# Altium PCB KlusterLab r2.0.PcbDoc (part 1 of 22) (continued)
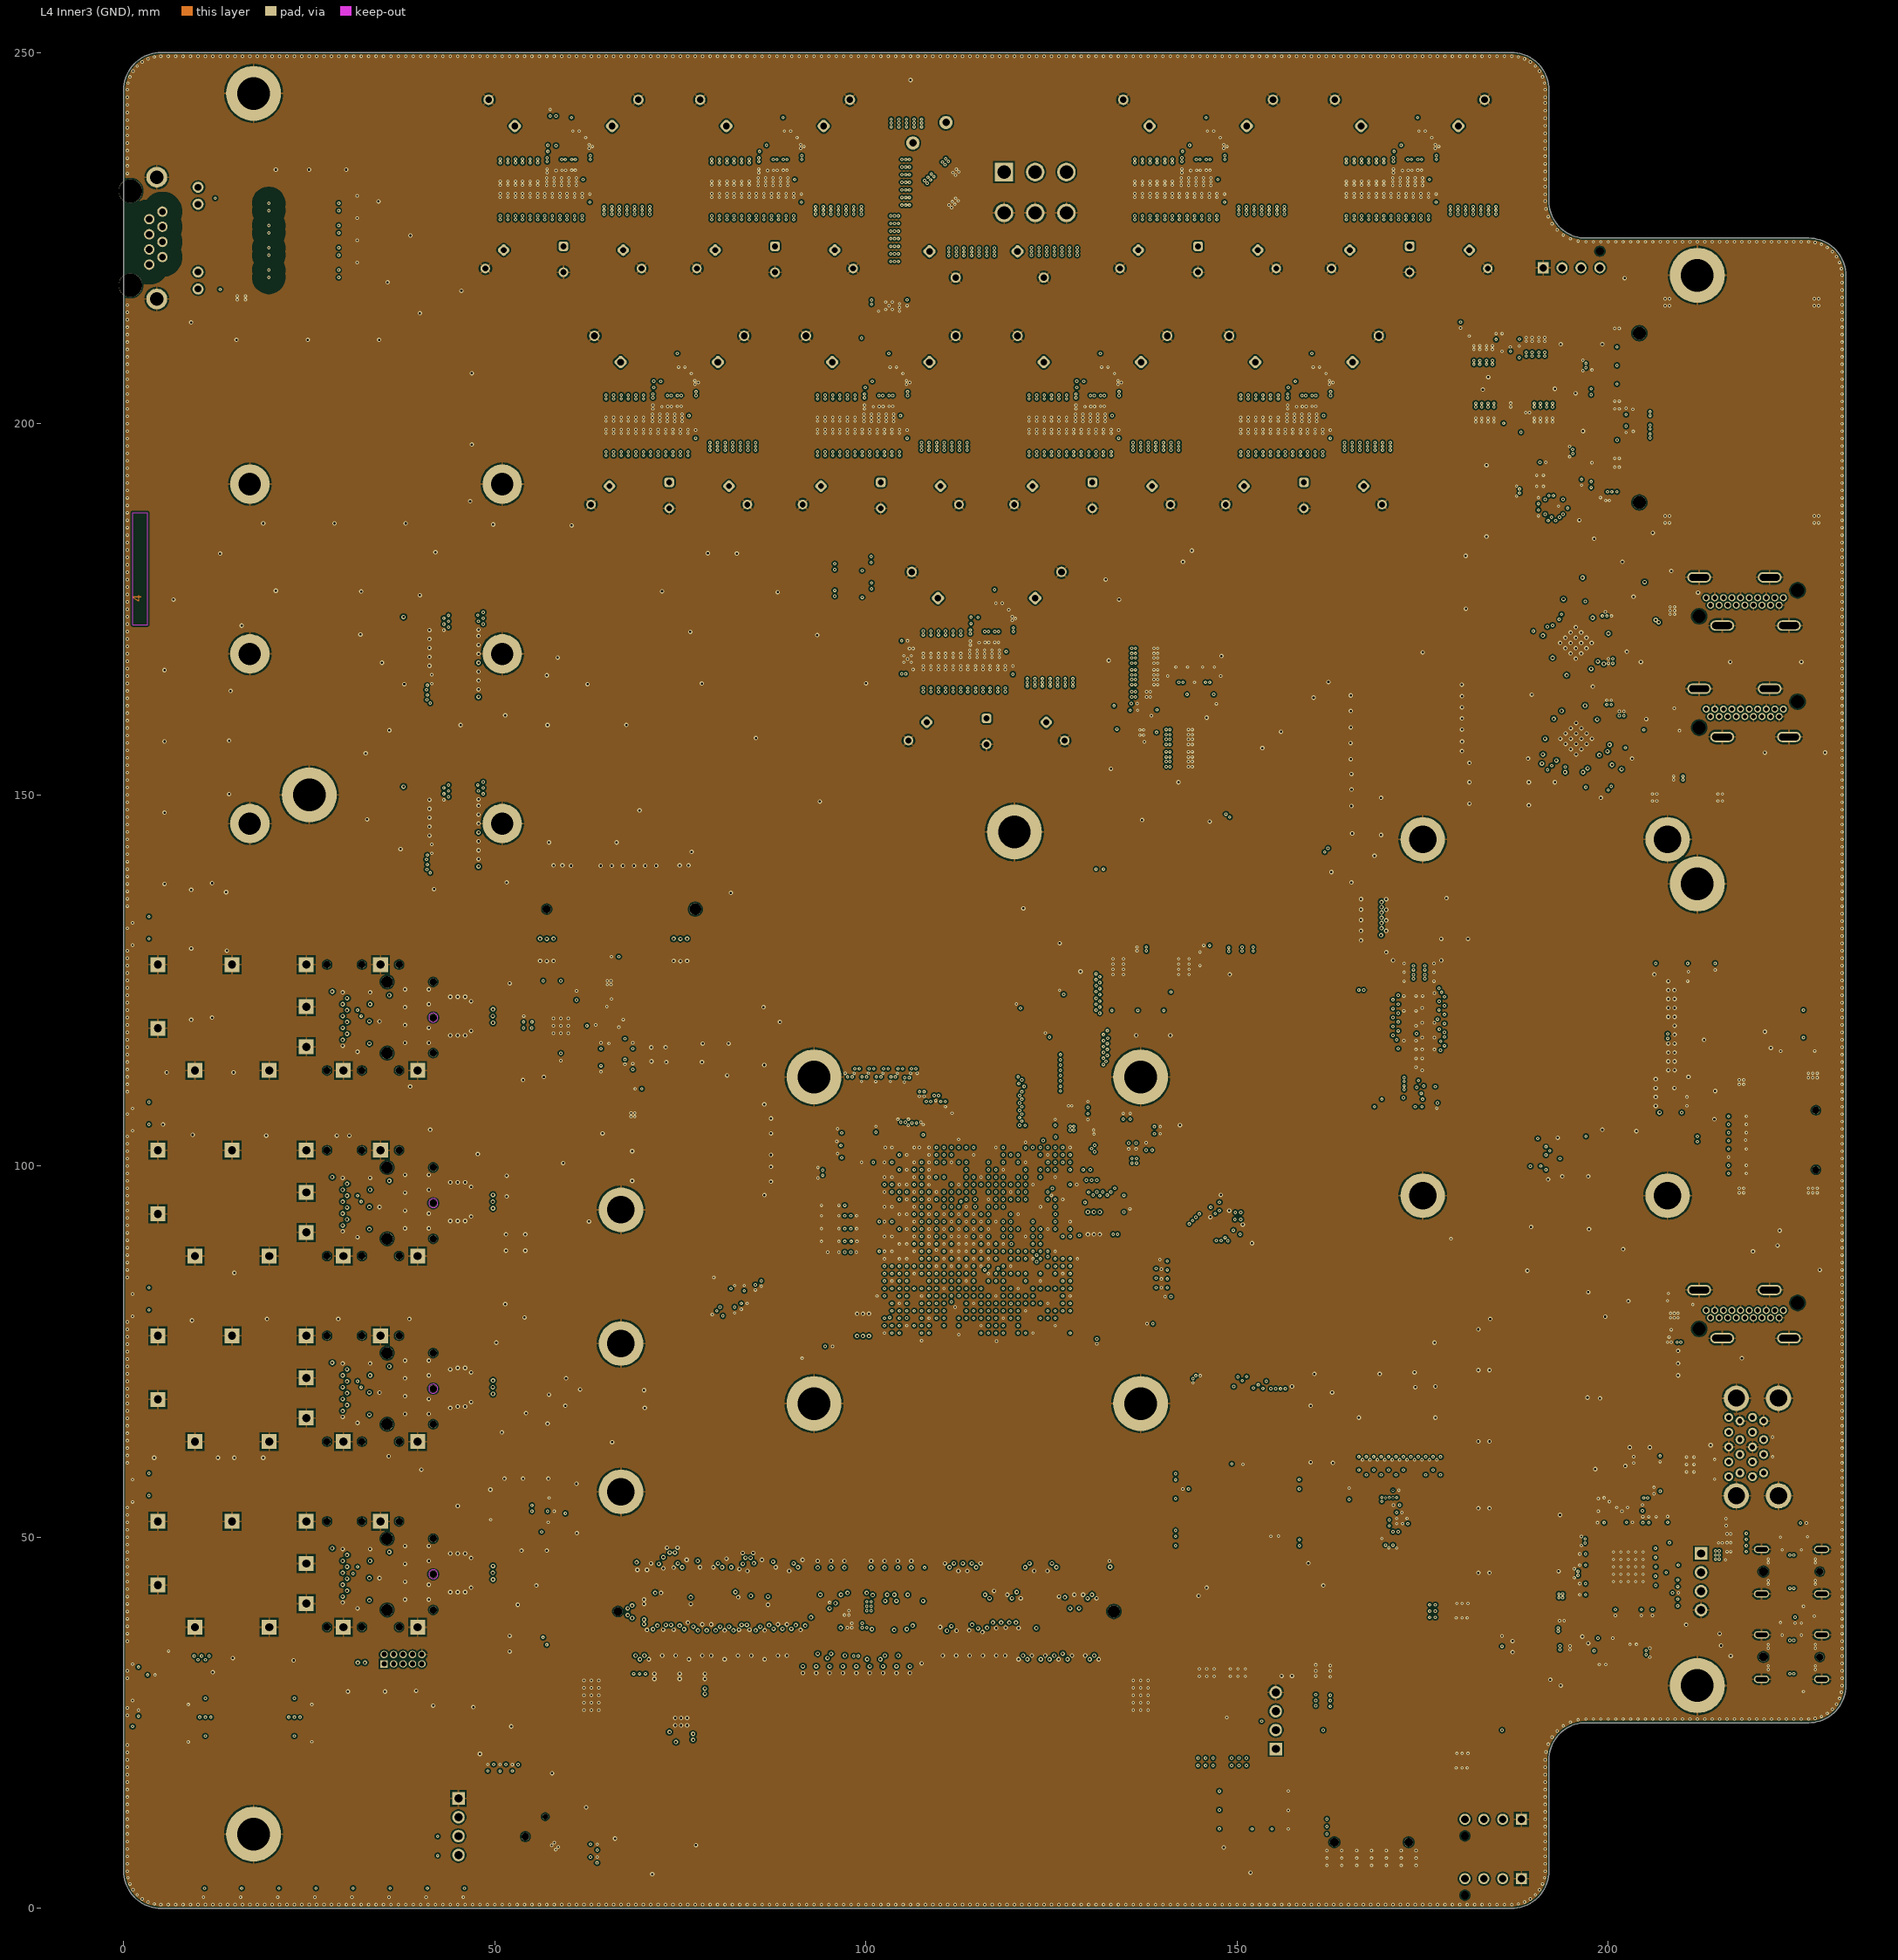
[diagram p4: L4 Inner3 (GND)]
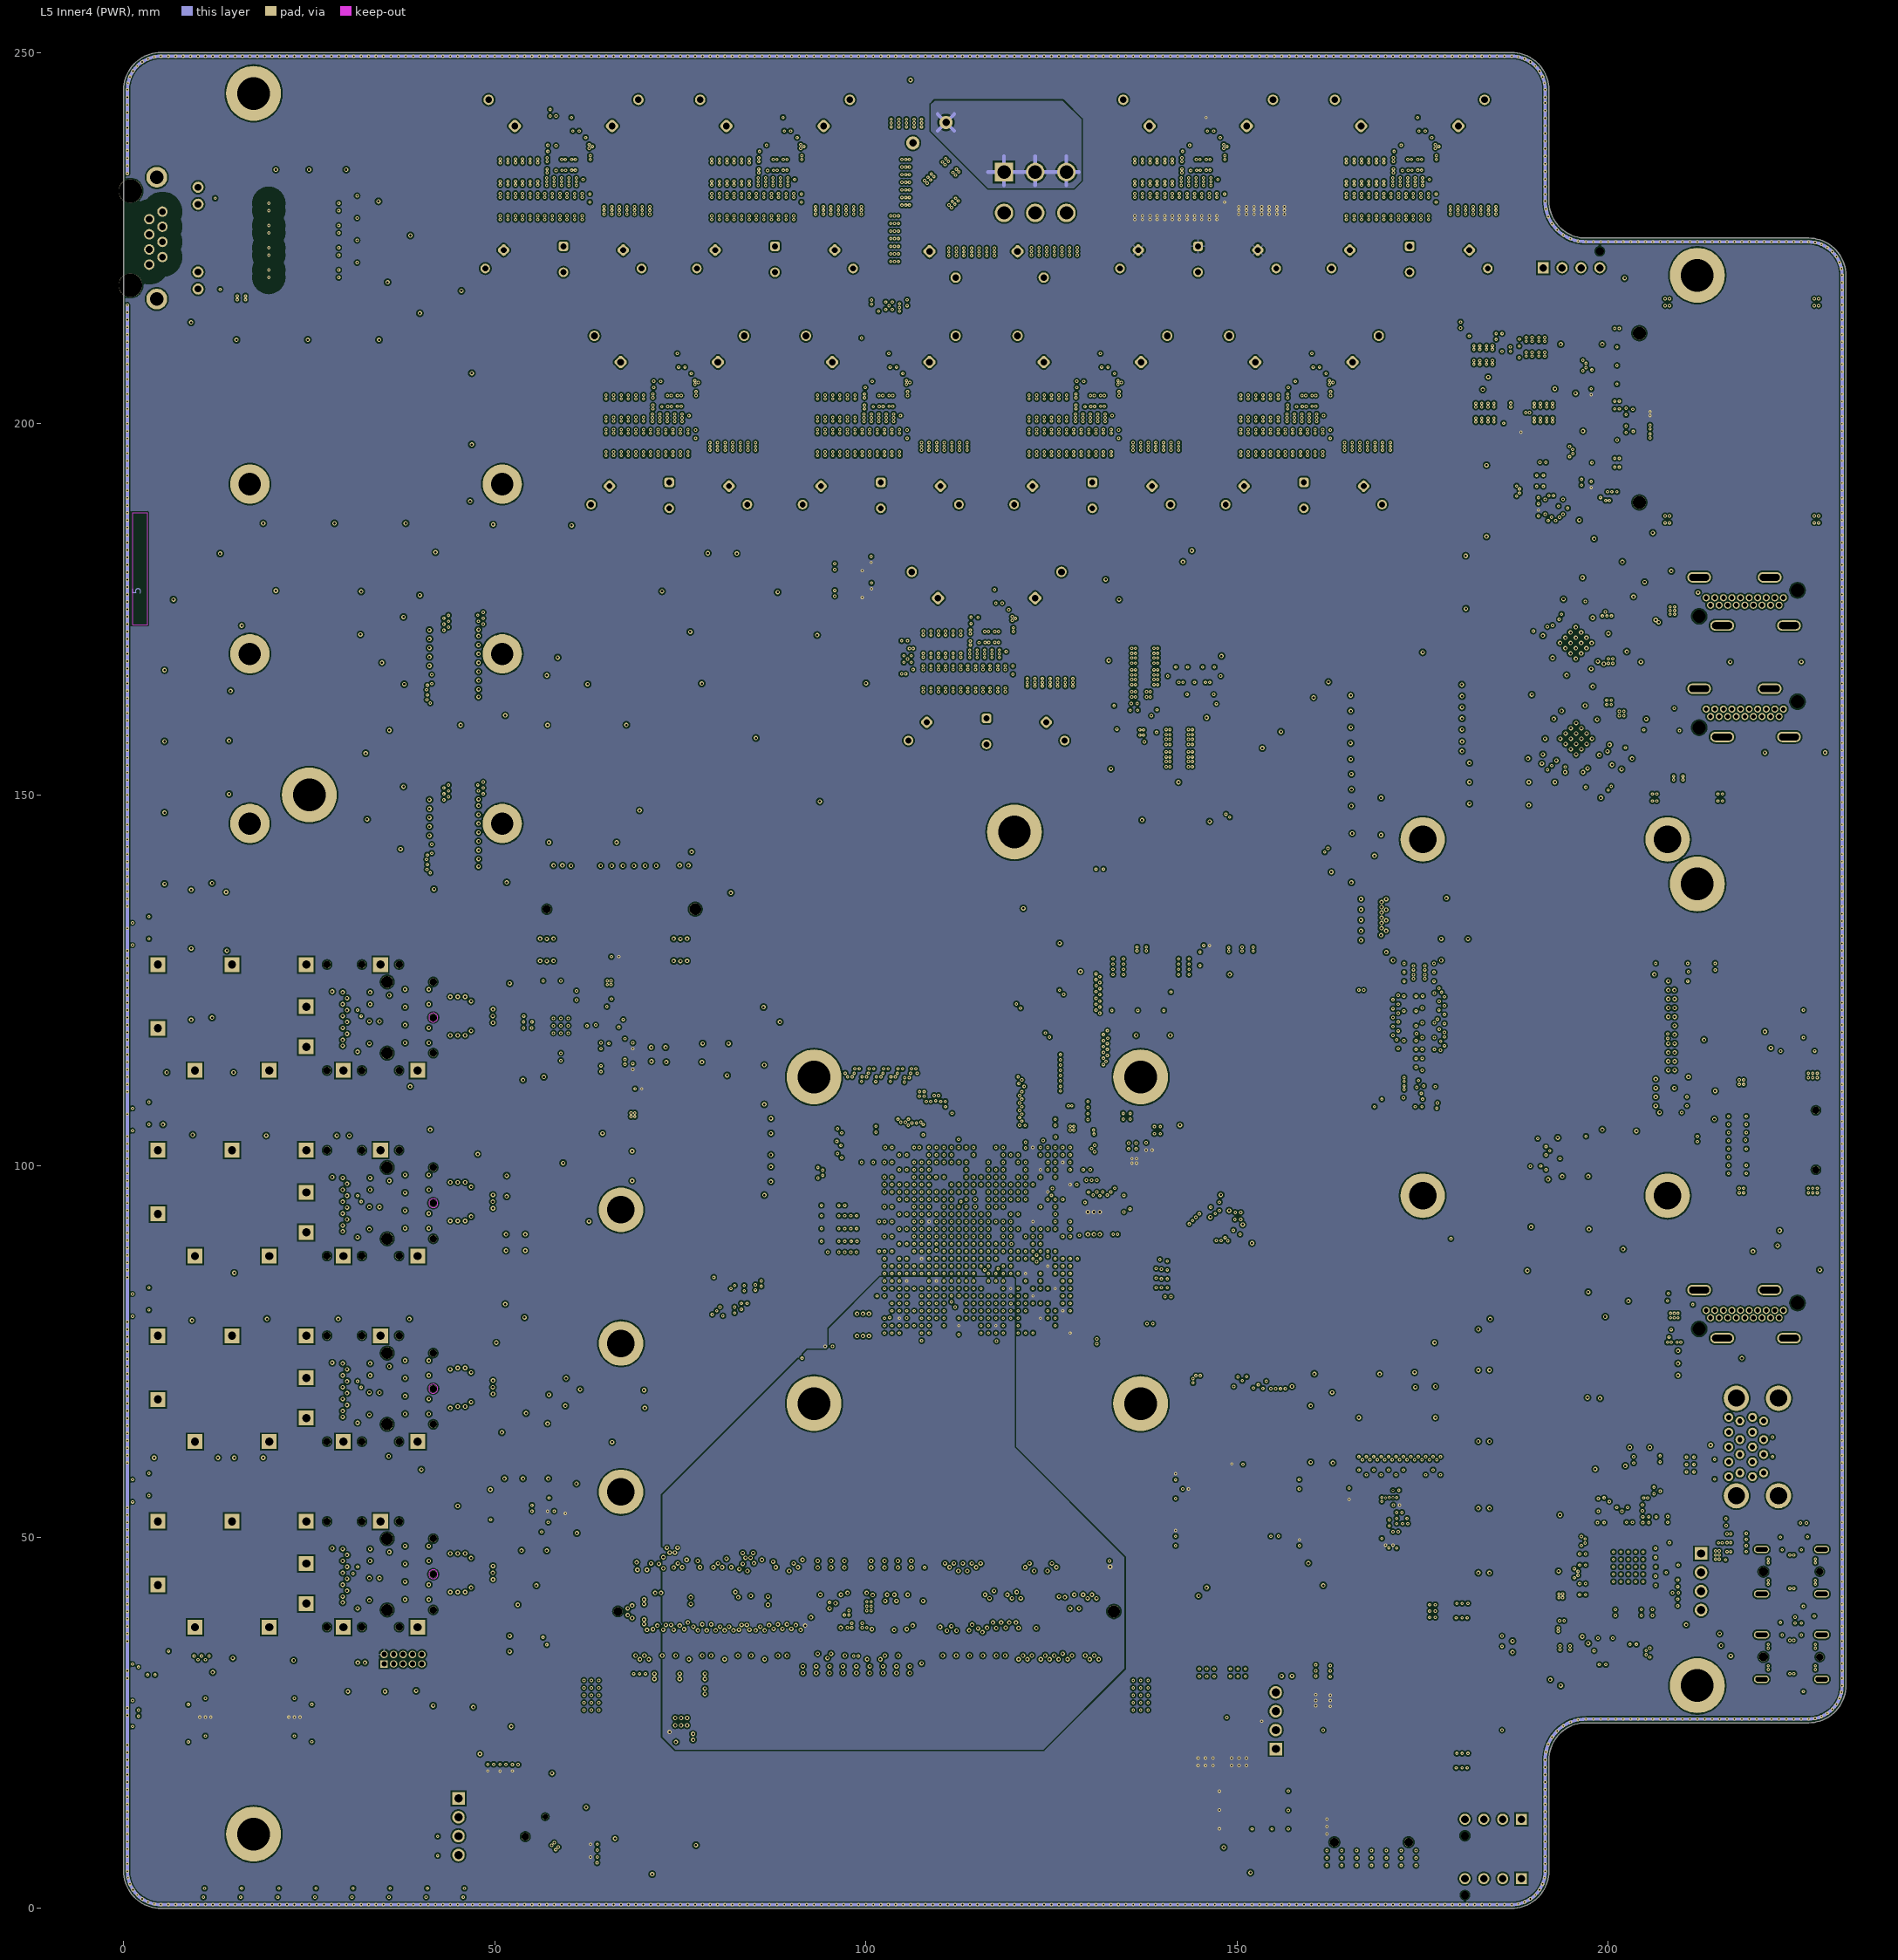
[diagram p5: L5 Inner4 (PWR)]
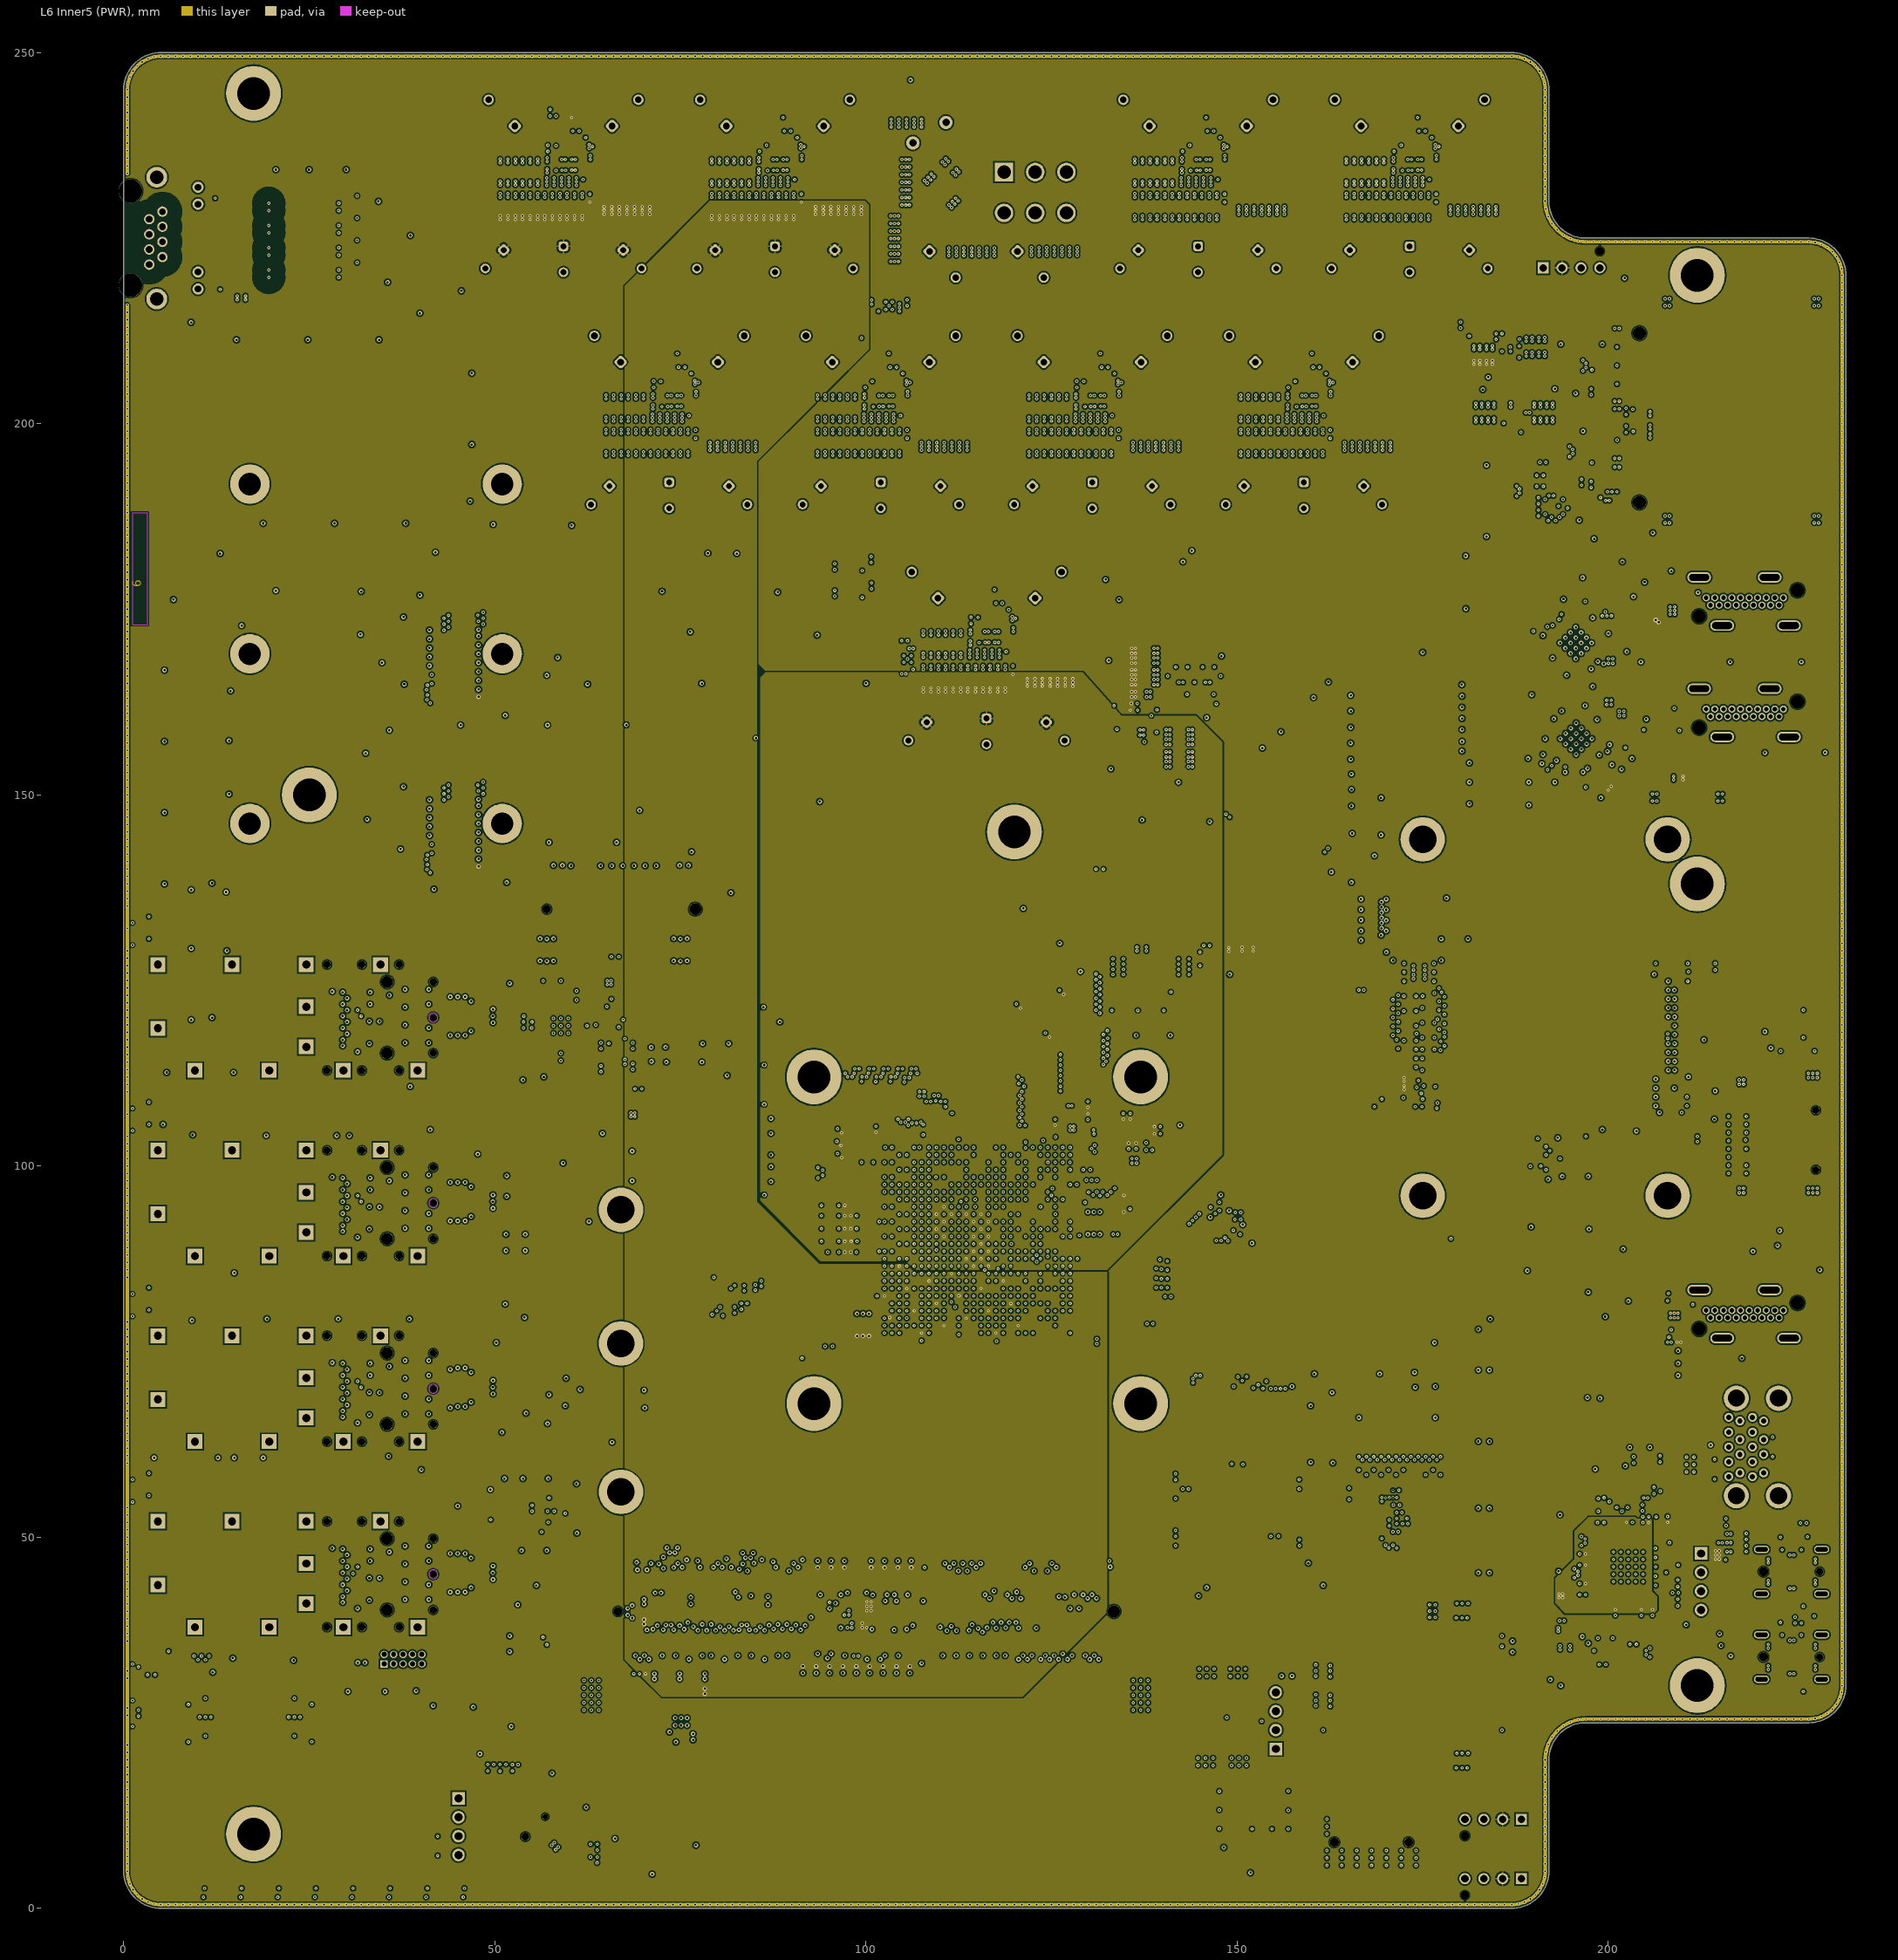
[diagram p6: L6 Inner5 (PWR)]
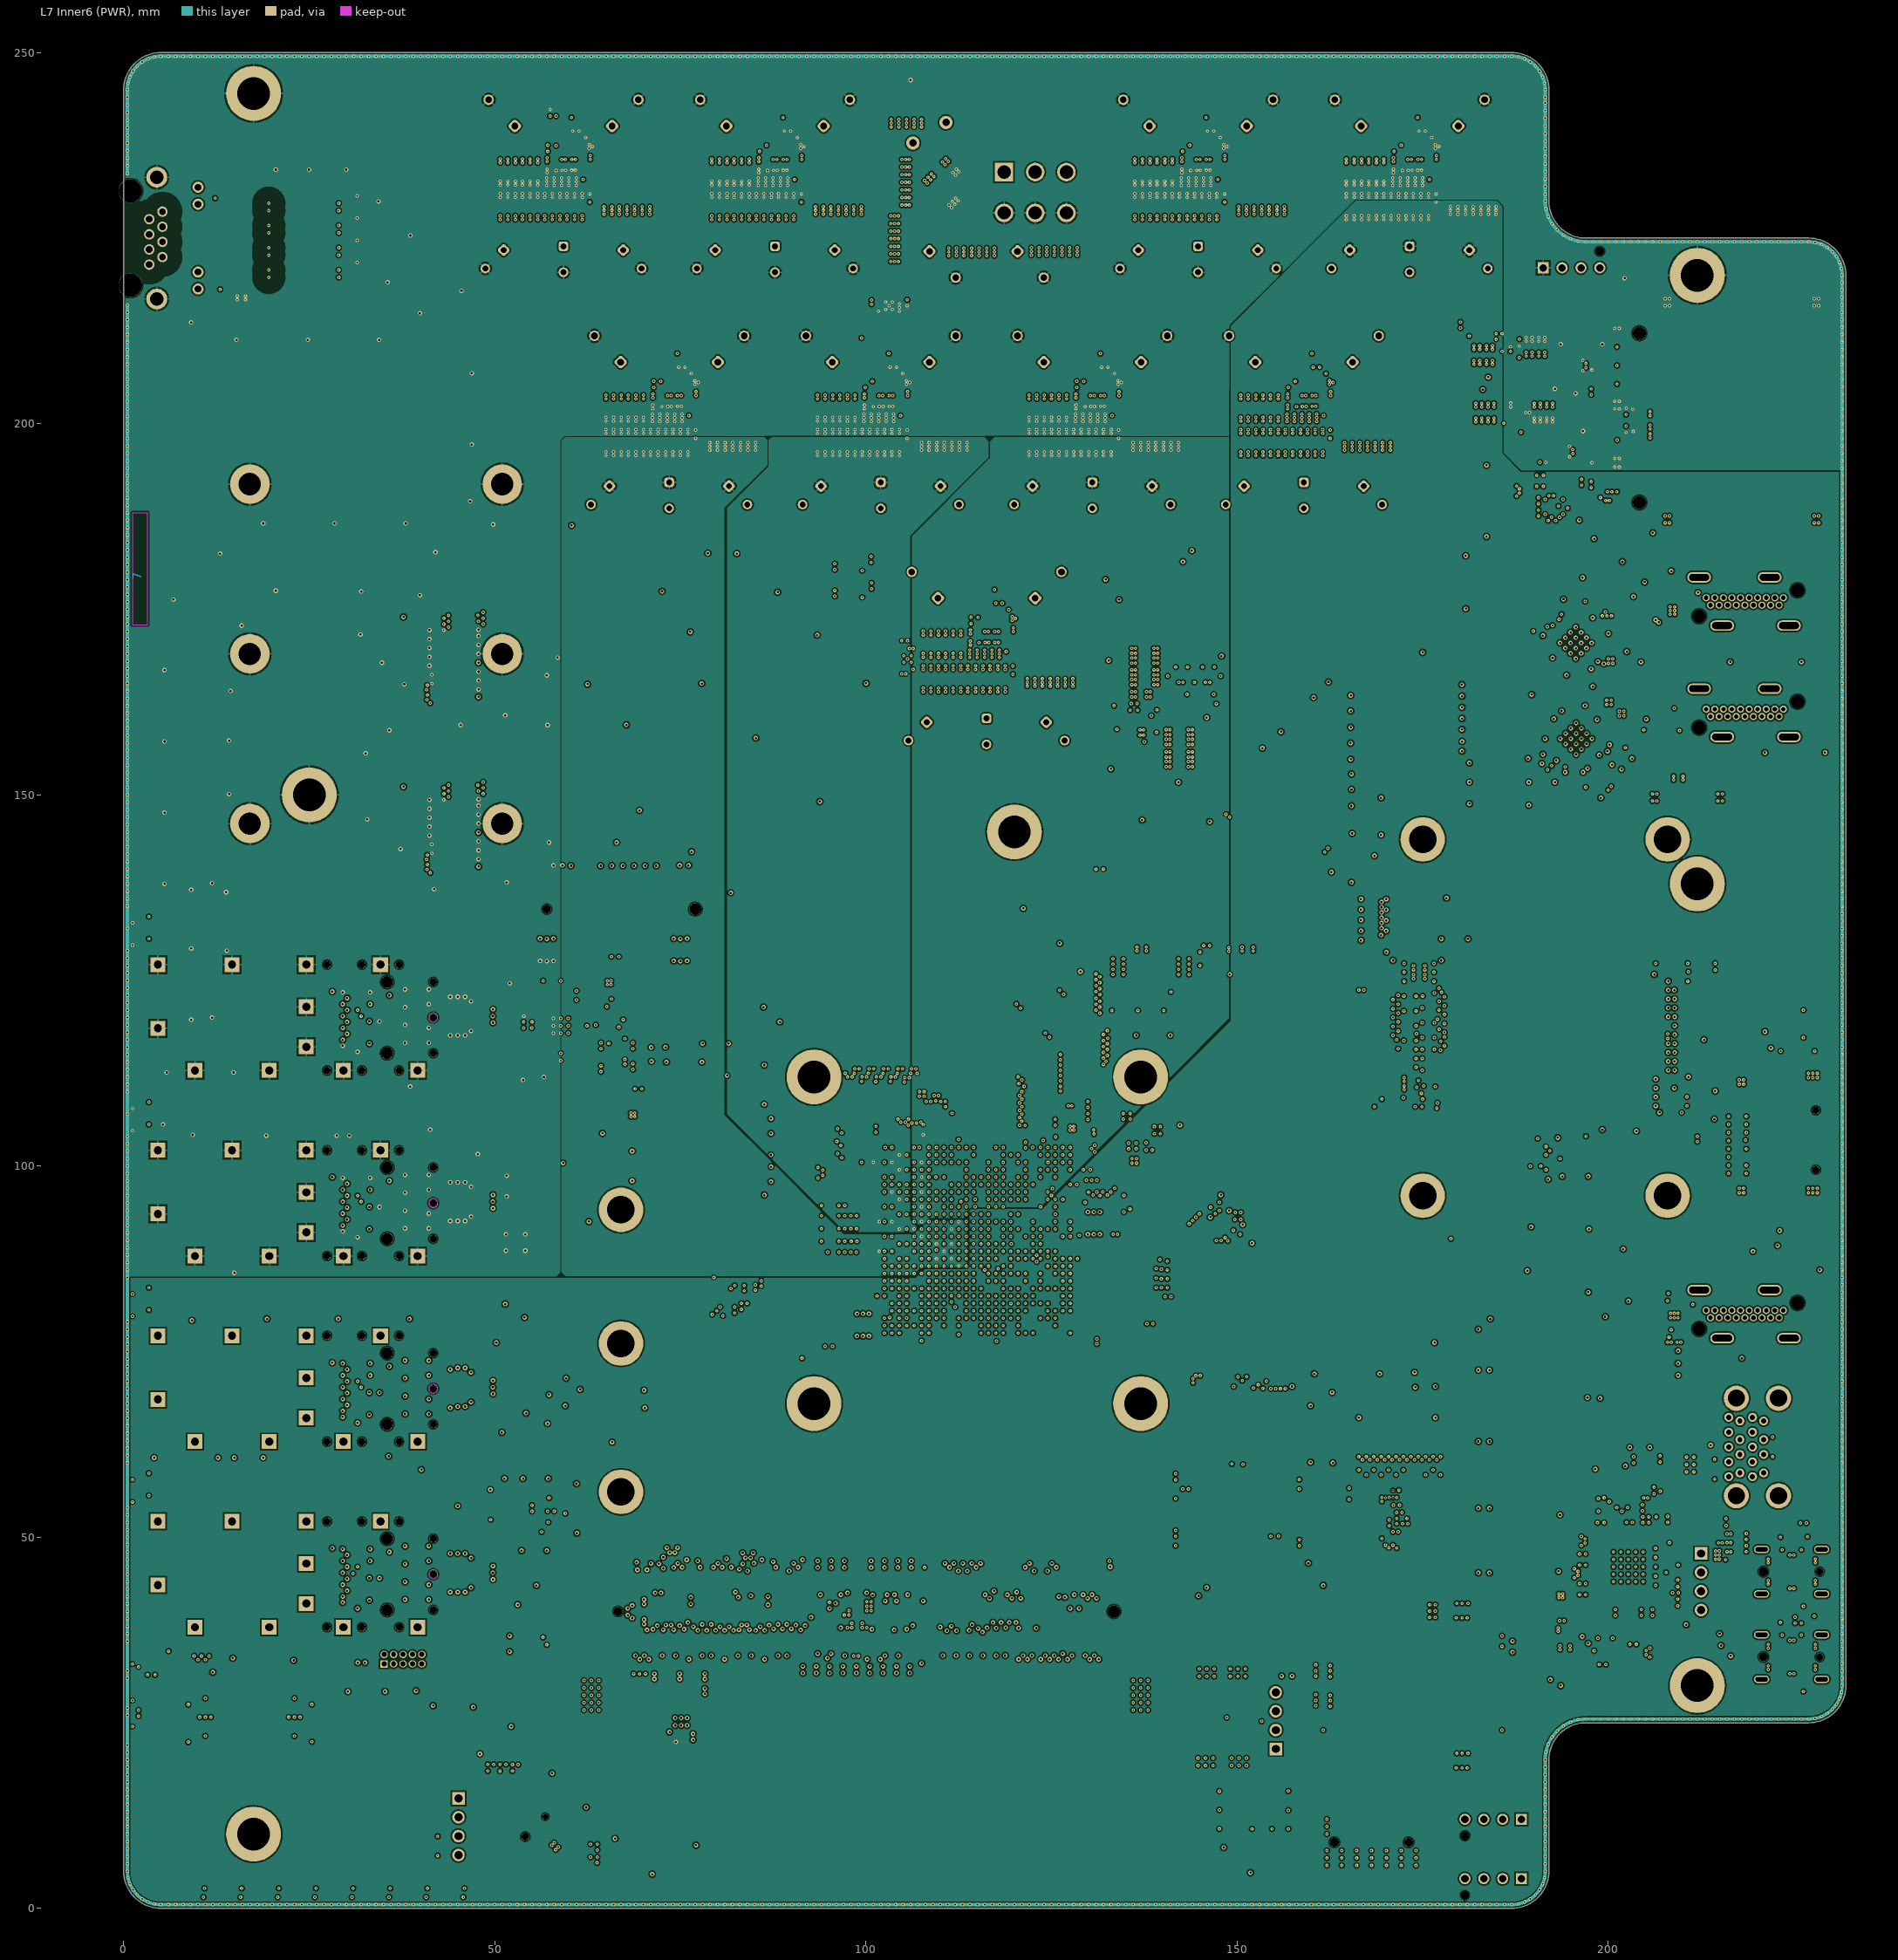
[diagram p7: L7 Inner6 (PWR)]